# Altium PCB BLDC_v4.PcbDoc
Units mm, origin at the board's own origin, x right, y up, seen from the top; angles counter-clockwise.
Board outline 87.47 x 71.78 mm, 4 copper layers (Top Layer, Layer 1, Layer 2, Bottom Layer), stack 1.369 mm thick; 40 components, 18 nets, 91 pads, 19 vias.
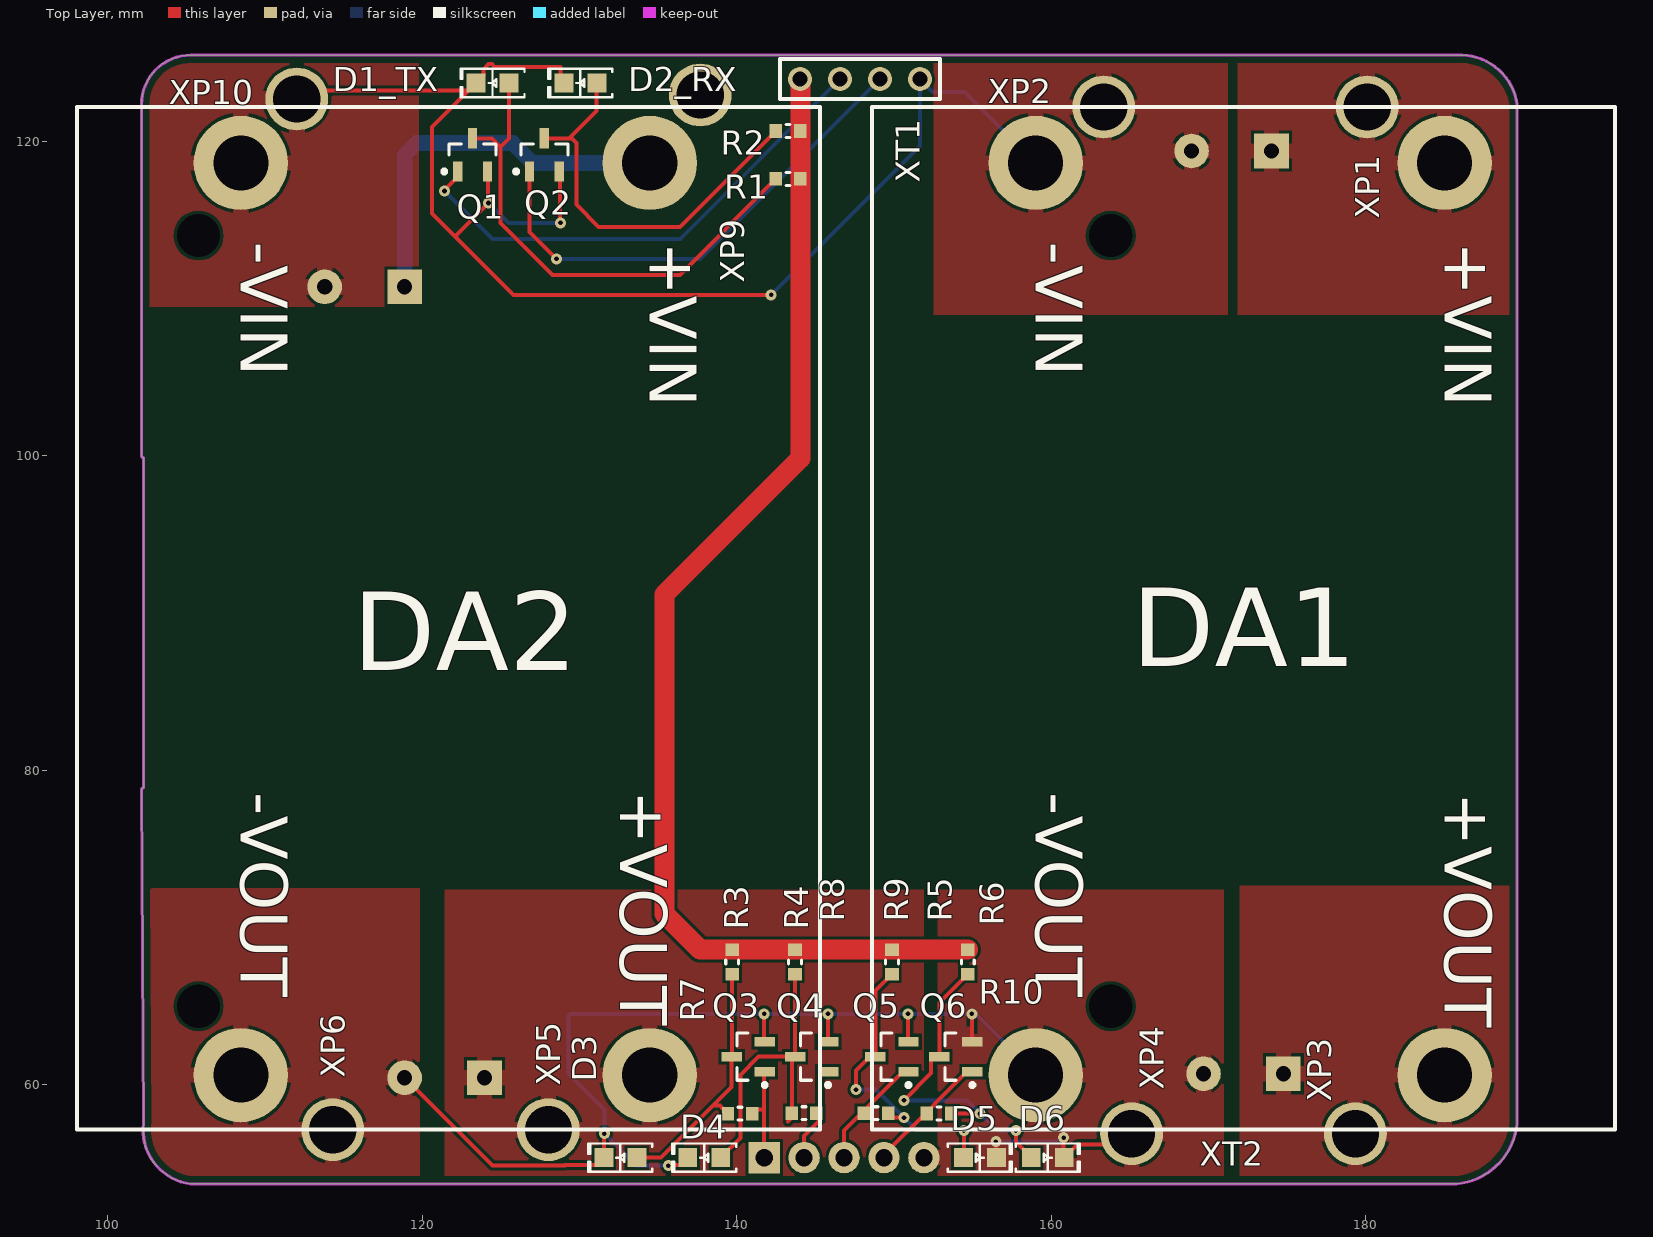
[diagram p0: Top Layer view]
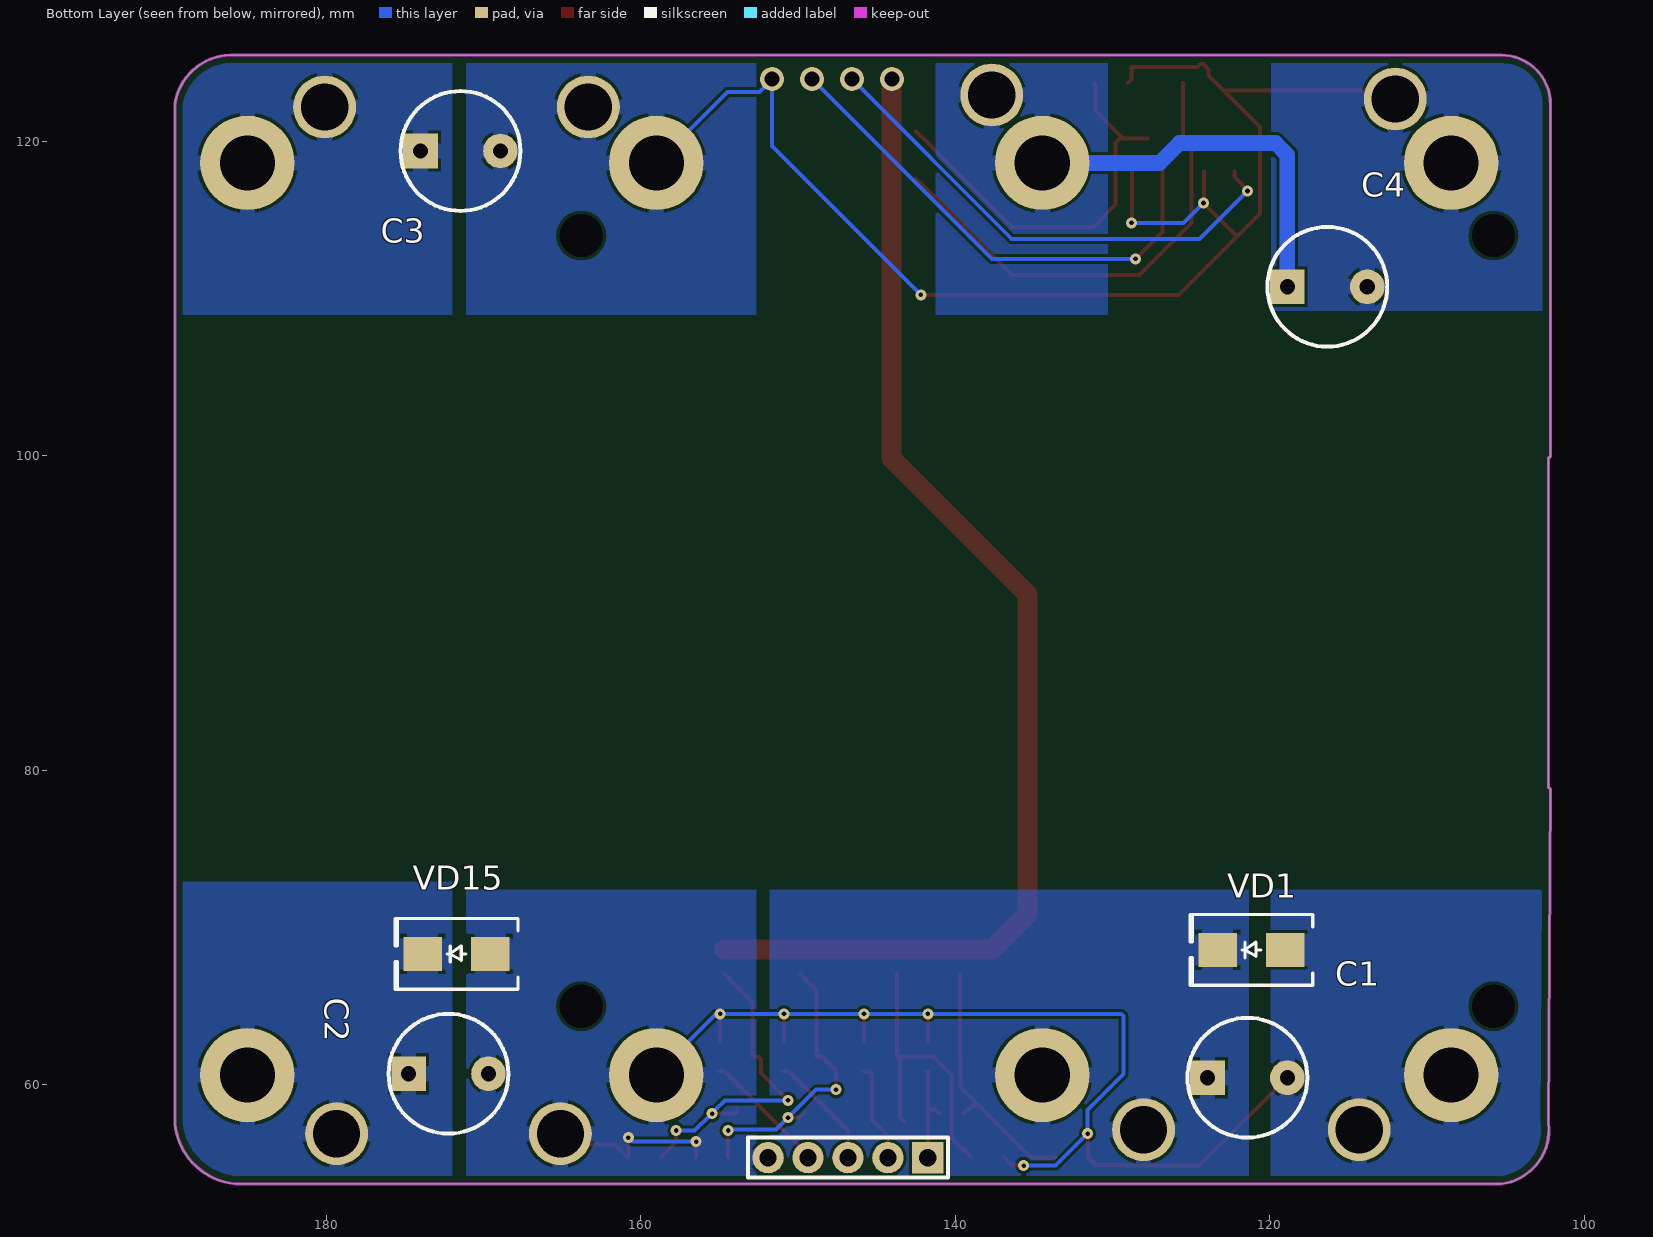
[diagram p1: Bottom Layer view, seen from below]
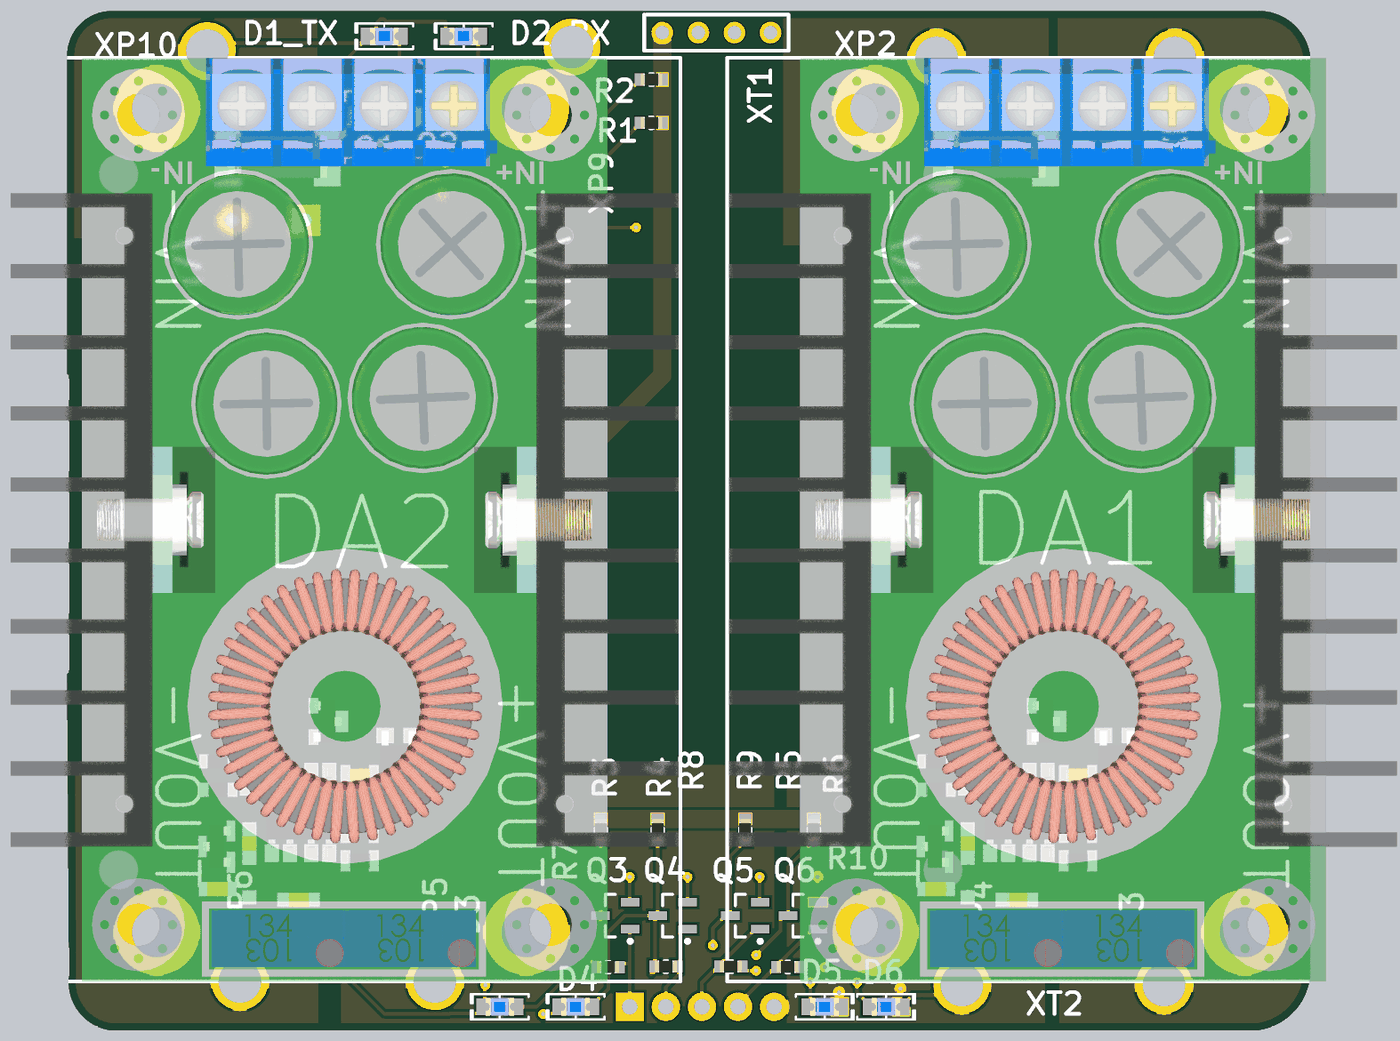
[diagram p2: 3D render of the assembled board from above, using the file's embedded part models]
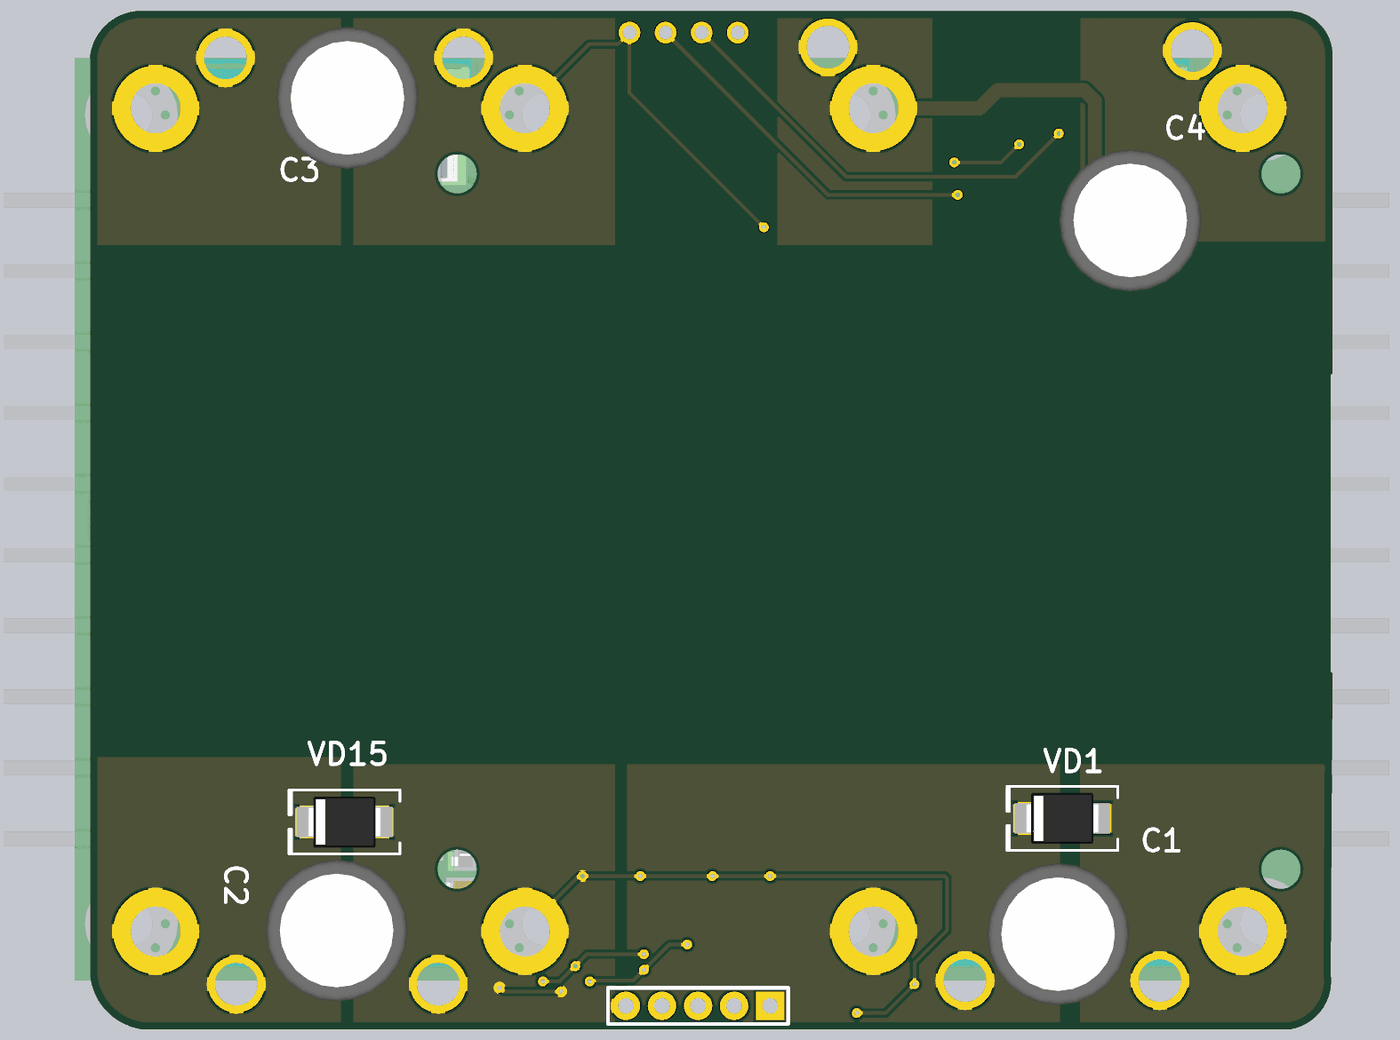
[diagram p3: 3D render of the assembled board from below, using the file's embedded part models]

## Layer stack, top to bottom
Top Solder: solder mask 0.0254, SM-001, Dk 4
Top Layer: signal copper 0.035
Dielectric 1: prepreg 0.1295, PP-017, Dk 4.3
Dielectric 2: prepreg 0.1295, PP-017, Dk 4.3
Layer 1: signal copper 0.035
Dielectric 3: core 0.7112, Core-039, Dk 4.8
Layer 2: signal copper 0.035
Dielectric 4: prepreg 0.1295, PP-017, Dk 4.3
Dielectric 5: prepreg 0.1295, PP-017, Dk 4.3
Bottom Layer: signal copper 0.035
Bottom Solder: solder mask 0.0254, SM-001, Dk 4

## Board outline
102.27,57.537 102.143,78.75 cw(c102.27,78.75) 102.27,78.877 102.27,99.873 cw(c102.27,100) 102.143,100 102.143,122.349 cw(c105.27,122.349) 105.27,125.476 185.803,125.476 cw(c185.993,121.825) 189.611,122.349 189.611,57.537 cw(c185.355,57.958) 185.775,53.701 105.27,53.701 cw(c105.688,57.119)

## Design rules (kind name [scope] priority, off if disabled: settings)
BackDrilling [All] p1: maxstublength=0.381 usetopbackdrill=TRUE usebottombackdrill=TRUE holeoversize=0.025 holetolplus=0 holetolminus=0
BoardOutlineClearance [All] p1: gap=0.5 ignorepadtopadclearanceinfootprint=FALSE except(0: Arc-SplitBarrior Arc-SplitContinuation Track-SplitBarrior Track-SplitContinuation SMDPad-SplitContinuation THPad-SplitContinuation Via-SplitBarrior Via-SplitContinuation Fill-SplitBarrior Fill-SplitContinuation Poly-SplitBarrior Poly-SplitContinuation Region-SplitBarrior Region-SplitContinuation Text-SplitBarrior Text-SplitContinuation)
Clearance [All] p1: gap=0.15 ignorepadtopadclearanceinfootprint=FALSE except(0.2: Arc-Fill Arc-Poly Arc-Region Track-Fill Track-Poly Track-Region SMDPad-Fill SMDPad-Poly SMDPad-Region THPad-Fill THPad-Poly THPad-Region Via-Fill Via-Poly Via-Region Fill-Fill Fill-Poly Fill-Region Poly-Poly Poly-Region Region-Region)
ComponentClearance [All] p1: gap=-0.05 collisioncheckmode=3 verticalgap=0 showdistances=TRUE
DiffPairsRouting [All] p1: maxlimit=0.15 minlimit=0.15 mostfreqgap=0.15 toplayer_minwidth=0.15 toplayer_maxwidth=0.15 toplayer_prefwidth=0.15 midlayer1_minwidth=0.15 midlayer1_maxwidth=0.15 midlayer1_prefwidth=0.15 midlayer2_minwidth=0.15 midlayer2_maxwidth=0.15 midlayer2_prefwidth=0.15 bottomlayer_minwidth=0.15 bottomlayer_maxwidth=0.15 bottomlayer_prefwidth=0.15 maxuncoupledlength=5
FabricationTestPointUsage TestPointUsage [All] p1: valid=0 allowmultiple=FALSE
FabricationTestpoint Testpoint [All] p1: side=3 testpointundercomponent=TRUE minsize=1.016 maxsize=2.54 preferedsize=1.524 minholesize=0.508 maxholesize=1.016 preferedholesize=0.813 testpointgrid=0.025 allowsidetop=TRUE allowsidebottom=TRUE usegrid=TRUE gridtolerance=0
Height [All] p1: minheight=0 maxheight=50 prefheight=10
HoleSize [All] p1: absolutevalues=TRUE maxlimit=5 minlimit=0.3 maxpercent=80.000 minpercent=20.000
HoleToHoleClearance [All] p1: gap=0.4 allowstackedmicrovias=TRUE
MinimumAnnularRing [All] p1: minimumring=0.2
MinimumSolderMaskSliver [All] p1: minsoldermaskwidth=0.15
PlaneClearance [All] p1: clearance=0.254
PolygonConnect [All] p1: thpad.connectstyle=Relief thpad.reliefconductorwidth=1 thpad.reliefentries=4 thpad.polygonreliefangle="90 Angle" thpad.airgapwidth=0.2 smdpad.connectstyle=Relief smdpad.reliefconductorwidth=2 smdpad.reliefentries=4 smdpad.polygonreliefangle="90 Angle" smdpad.airgapwidth=0.2 via.connectstyle=Direct via.reliefconductorwidth=0.15 via.reliefentries=4 via.polygonreliefangle="90 Angle" via.airgapwidth=0.2
RoutingVias [All] p1: holewidth=0.3 width=0.7 viastyle="Through Hole" minholewidth=0.3 minwidth=0.7 maxholewidth=2 maxwidth=3
SilkToSilkClearance [All] p1: silktosilkclearance=0.15
SilkToSolderMaskClearance SilkscreenOverComponentPads [IsPad] p1: minsilkscreentomaskgap=0.1 clearancetoexposedcopper=TRUE
SolderMaskExpansion [All] p1: expansion=0.075
ViasUnderSMD [All] p1: allowed=TRUE
Width [All] p1: maxlimit=5 minlimit=0.15 preferedwidth=0.15
19 further rules are at their usual default settings.

## Components (designator, comment, footprint, x,y, rotation, side; value= is the part's Value field where it differs from the comment)
C1 "C100_V_WIDE" C100_WIDE 123.952,60.452 r180 bottom value={Value}
C2 "C100_V_WIDE" C100_WIDE 174.752,60.706 r180 bottom value={Value}
C3 "C100_V_WIDE" C100_WIDE 173.99,119.38 r180 bottom value={Value}
C4 "C100_V_WIDE" C100_WIDE 118.872,110.744 r180 bottom value={Value}
D1_TX "Green" "LED 0805/2012 BLUE" 124.46,123.698 r180 top
D2_RX "Green" "LED 0805/2012 BLUE" 130.048,123.698 r180 top
D3 "Green" "LED 0805/2012 BLUE" 132.588,55.372 r180 top
D4 "Green" "LED 0805/2012 BLUE" 137.922,55.372 r180 top
D5 "Green" "LED 0805/2012 BLUE" 155.448,55.372 r0 top
D6 "Green" "LED 0805/2012 BLUE" 159.766,55.372 r0 top
DA1 "DC/DC" XL4016 159,118.618 r270 top locked
DA2 "DC/DC" XL4016 108.458,118.618 r270 top locked
Q1 "IRML6244tr2pbf" SOT23_N 123.19,119.126 r90 top
Q2 "IRML6244tr2pbf" SOT23_N 127.762,119.126 r90 top
Q3 "IRML6244tr2pbf" SOT23_N 140.716,61.788 r180 top
Q4 "IRML6244tr2pbf" SOT23_N 144.746,61.788 r180 top
Q5 "IRML6244tr2pbf" SOT23_N 149.86,61.788 r180 top
Q6 "IRML6244tr2pbf" SOT23_N 153.924,61.788 r180 top
R1 "1k" SMT0603/VISHAY 143.256,117.602 r0 top
R2 "1k" SMT0603/VISHAY 143.256,120.65 r0 top
R3 "1k" SMT0603/VISHAY 139.7,67.818 r90 top
R4 "1k" SMT0603/VISHAY 143.696,67.818 r90 top
R5 "1k" SMT0603/VISHAY 149.86,67.818 r90 top
R6 "1k" SMT0603/VISHAY 154.686,67.818 r90 top
R7 "1k" SMT0603/VISHAY 140.208,58.166 r0 top
R8 "1k" SMT0603/VISHAY 144.272,58.204 r0 top
R9 "1k" SMT0603/VISHAY 148.844,58.204 r180 top
R10 "1k" SMT0603/VISHAY 152.847,58.179 r180 top
VD1 "SMBJ5.0CA-TR" "DO214AA SMB" 121.158,68.58 r0 bottom
VD15 "SMBJ12A" "DO214AA SMB" 171.704,68.326 r0 bottom
XP1 "XP_1_WIDE" XP_WIDE 180.086,122.174 r180 top
XP2 "XP_1_WIDE" XP_WIDE 163.322,122.174 r180 top
XP3 "XP_1_WIDE" XP_WIDE 179.324,56.896 r180 top
XP4 "XP_1_WIDE" XP_WIDE 165.1,56.896 r180 top
XP5 "XP_1_WIDE" XP_WIDE 128.016,57.15 r180 top
XP6 "XP_1_WIDE" XP_WIDE 114.3,57.15 r180 top
XP9 "XP_1_WIDE" XP_WIDE 137.668,122.936 r180 top
XP10 "XP_1_WIDE" XP_WIDE 112.014,122.682 r270 top
XT1 "PLS4_GOST" XP_4_PIN_2 144.018,123.952 r90 top
XT2 "PLS5_GOST" XP_5_PIN 141.732,55.372 r0 top

## Footprints (in the part's own frame and the unit in brackets; to place one, negate y for a bottom-side part, rotate by r counter-clockwise, add the part's x,y. Pads: shape width x height; smd on the part's side, far side on the other; paste and mask are expansions set on the pad)
C100_WIDE [mm]
  rect 2.2x2.2 hole 0.965: 1(0,0)
  round 2.2 hole 0.965: 2(5.08,0)
  silkscreen extent -1.27,-3.81 6.35,3.81, body extent -2.51,-5.03 7.49,4.97, height 12.5
"DO214AA SMB" [mm] "Molded Diode, 2-Leads, Body 4.31x3.62mm, IPC Medium Density"
  rect 2.45x2.15 smd: 1(-2.15,0) 2(2.15,0)
  silkscreen extent -3.9,-2.25 3.9,2.25, body extent -2.6,-1.8 2.6,1.8, height 2.4
"LED 0805/2012 BLUE" [mm] "Chip Diode, 2-Leads, Body 2.00x1.25mm, IPC Medium Density"
  rect 1.2x1.2 smd: 1(-1.05,0) 2(1.05,0)
  silkscreen extent -2.03,-0.9 2.03,0.9, body extent -1,-0.62 1,0.63, height 0.9
SMT0603/VISHAY [mm]
  rect 0.787x0.864 smd: 1(-0.775,0) 2(0.775,0)
  silkscreen extent -0.13,-0.41 0.13,0.41, body extent -0.78,-0.43 0.77,0.43, height 0.45
SOT23_N [mm] "SOT23, 3-Leads, Body 2.9x1.3mm, Pitch 0.95mm, Lead Span 2.3mm, IPC Medium Density"
  rect 1.3x0.6 smd: 1(-1.05,0.95) 2(-1.05,-0.95) 3(1.05,0)
  silkscreen extent -1.17,-1.5 0.7,1.92, body extent -0.7,-1.5 0.7,1.5, height 1.1
XL4016 [mm]
  round 6 hole 3.5: 1(0,0) 2(58,0) 3(58,26) 4(0,26)
  silkscreen extent -3.56,-10.41 61.47,36.83, body extent -3.53,-10.29 61.47,36.71, height 22.57
XP_4_PIN_2 [mil]
  round 60 hole 38: 1(0,0) 2(0,-100) 3(0,-200) 4(0,-300)
  silkscreen extent -50,-350 50,50
XP_5_PIN [mm]
  rect 2x2 hole 1.1: 1(0,0)
  round 2 hole 1.1: 2(2.54,0) 3(5.08,0) 4(7.62,0) 5(10.16,0)
XP_WIDE [mm]
  round 4 hole 3: 1(0,0)

## Part data
D1_TX D2_RX D3 D4 D5 D6: library part LED, "Chip LED"
DA1 DA2: library part XL4016_DCDC
Q1 Q2 Q3 Q4 Q5 Q6: "N-Channel MOSFET", LatestRevisionDate=17-Jul-2002, LatestRevisionNote="Re-released for DXP Platform.", PackageDescription="TO, Flat Index; 3 In-Line, Axial Leads; Body Dia. 4.6mm; Lead Dia. 0.5 mm (max)", PackageReference=E3, PackageVersion=1995/1996, Published=8-Jun-2000, Publisher="Altium Limited"
R1 R2 R3 R4 R5 R6 R7 R8 R9 R10: library part CRCW060310K0FKEA/MURATA, "10k"
XT1: "Header, 5-Pin", LatestRevisionDate=17-Jul-2002, LatestRevisionNote="Re-released for DXP Platform.", Publisher="Altium Limited"
XT2: library part PLS5_GOST_1, "Header, 5-Pin", LatestRevisionDate=17-Jul-2002, LatestRevisionNote="Re-released for DXP Platform.", Publisher="Altium Limited"

## Free pads (board coordinates)
  round 0 hole 2.75 unplated: ""(105.77,65) ""(105.77,114) ""(163.77,65) ""(163.77,114)

## Via types
v1: diameter 0.7, hole 0.3, Top Layer to Bottom Layer, 19 vias

## Nets (pads, with @x,y where several pads share a name; then routed paths per layer and width w, separated by ;. In a path a pad name is that pad's centre, name@x,y a point inside that pad or via, vN(x,y) a via of type N, cw(c..) or ccw(c..) an arc to the next point about the centre after c; other vN are vias at no path point)
+5V: R1.2 R2.2 R3.2 R4.2 R5.2 R6.2 XT1.1 | length 76.9
  Top Layer w1.27: XT1.1 144.031,123.939 R2.2 R1.2 144.031,99.822 135.382,91.173 135.382,70.879 137.668,68.593 R3.2 R4.2 R5.2 R6.2
+36V_1: C3.1 DA1.4 XP1.1
+36V_2: C4.1 DA2.4 XP9.1 | length 24.8
  Bottom Layer w1: C4.1 118.872,119.126 119.634,119.888 125.735,119.888 127.005,118.618 DA2.4
DCDC1: C2.1 DA1.3 VD15.2 XP3.1
DCDC2: C1.1 DA2.3 VD1.2 XP5.1 | length 0.2
  Top Layer w1.27: DA2.3 DA2.3@134.598,60.758
GND: C1.2 C2.2 C3.2 C4.2 D1_TX.2 D2_RX.2 D3.2 D4.2 D5.2 D6.2 DA1.1 DA1.2 DA2.1 DA2.2 Q1.2 Q2.2 Q3.2 Q4.2 Q5.2 Q6.2 VD1.1 VD15.1 XP2.1 XP4.1 XP6.1 XP10.1 XT1.4 XT2.5 | length 174.4
  Top Layer w0.254: XP10.1 112.557,123.225 D1_TX.2@122.937,123.225 ; C1.2 124.451,54.873 129.056,54.873 129.082,54.899 131.065,54.899 D3.2 131.538,56.862 v1(131.572,56.896) ; Q1.2 124.173,118.043 124.173,116.111 v1(124.206,116.078) 122.174,114.046 122.174,113.849 ; Q2.2 128.745,118.043 128.745,114.841 v1(128.778,114.808) ; D2_RX.2 128.778,123.918 128.778,124.714 124.599,124.714 124.416,124.897 124.206,124.897 123.883,124.574 123.883,124.171 D1_TX.2 D1_TX.2@122.937,123.225 ; v1(135.636,54.864) 135.671,54.899 136.399,54.899 D4.2 ; v1(141.732,64.516) 141.732,62.772 Q3.2 ; v1(142.176,110.236) 125.787,110.236 122.174,113.849 ; Q4.2 v1(145.796,64.516) ; v1(150.876,64.516) 150.876,62.772 Q5.2 ; v1(154.94,64.516) 154.94,62.772 Q6.2 ; v1(156.464,56.388) 156.464,55.406 D5.2 ; v1(160.782,56.642) 160.782,55.406 D6.2 161.648,56.204 164.408,56.204 XP4.1@165.38,57.176 ; 122.174,113.849 120.616,115.407 120.616,120.904 D1_TX.2@122.937,123.225
  Bottom Layer w0.254: v1(124.206,116.078) 125.476,114.808 v1(128.778,114.808) ; v1(135.636,54.864) 133.604,54.864 v1(131.572,56.896) 131.572,58.403 129.286,60.689 129.286,64.367 129.435,64.516 v1(141.732,64.516) v1(145.796,64.516) v1(150.876,64.516) v1(154.94,64.516) 155.194,64.516 159,60.71 DA1.2 ; v1(142.176,110.236) 151.638,119.698 XT1.4 152.446,123.144 154.474,123.144 DA1.1 ; v1(156.464,56.388) 160.528,56.388 v1(160.782,56.642)
NetD1_TX_1: D1_TX.1 Q1.3 R1.1 | length 32.5
  Top Layer w0.254: Q1.3 124.426,120.176 124.968,119.634 ; D1_TX.1 125.51,120.176 124.968,119.634 ; R1.1 142.481,117.564 142.214,117.297 142.176,117.297 136.385,111.506 128.27,111.506 124.968,114.808 124.968,119.634
NetD2_RX_1: D2_RX.1 Q2.3 R2.1 | length 26.1
  Top Layer w0.254: Q2.3 129.32,120.176 ; D2_RX.1 131.064,123.664 131.064,121.92 129.32,120.176 ; R2.1 142.481,120.612 142.214,120.345 142.176,120.345 136.385,114.554 131.213,114.554 129.794,115.973 129.794,119.888 129.506,120.176 129.32,120.176
NetD3_1: D3.1 Q3.3 R3.1 R7.1 | length 16.3
  Top Layer w0.254: D3.1 135.188,55.372 138.49,58.674 ; R7.1 139.433,58.204 139.166,58.471 139.128,58.471 138.925,58.674 138.49,58.674 ; R3.1 139.7,61.822 Q3.3 139.666,59.85 138.49,58.674
NetD4_1: D4.1 Q4.3 R4.1 R8.1 | length 19.3
  Top Layer w0.254: D4.1 140.223,56.623 140.223,60.637 141.374,61.788 Q4.3@143.683,61.788 ; 143.243,57.658 143.51,57.925 143.51,61.615 Q4.3@143.683,61.788 ; R4.1 Q4.3 Q4.3@143.683,61.788
NetD5_1: D5.1 Q5.3 R5.1 R9.1 | length 19.3
  Top Layer w0.254: v1(147.574,59.69) 147.574,60.902 148.46,61.788 Q5.3 148.81,65.993 149.555,66.738 149.555,66.776 149.822,67.043 R5.1 ; R9.1 149.619,58.179 149.886,57.912 v1(150.622,57.912) ; D5.1 154.432,55.406 v1(154.432,57.09)
  Bottom Layer w0.254: v1(147.574,59.69) 148.844,59.69 v1(150.622,57.912) 151.384,57.15 154.372,57.15 v1(154.432,57.09)
NetD6_1: D6.1 Q6.3 R6.1 R10.1 | length 21.4
  Top Layer w0.254: v1(150.622,59.012) 152.351,60.741 152.351,61.615 152.524,61.788 Q6.3 152.874,65.231 154.381,66.738 154.381,66.776 154.648,67.043 R6.1 ; R10.1@153.874,58.42 153.874,58.242 153.95,58.166 v1(155.448,58.166) ; v1(157.734,57.09) 157.734,56.354 D6.1
  Bottom Layer w0.254: v1(150.622,59.012) 154.636,59.012 v1@155.228,58.42 ; v1@155.465,58.183 156.558,57.09 v1(157.734,57.09)
NetQ1_2: Q1.1 XT1.2 | length 32.2
  Top Layer w0.254: v1(121.412,116.84) 121.412,116.898 122.24,117.726 Q1.1
  Bottom Layer w0.254: v1(121.412,116.84) 124.46,113.792 136.398,113.792 XT1.2
NetQ2_2: Q2.1 XT1.3 | length 31.6
  Top Layer w0.254: Q2.1 126.812,114.234 v1(128.524,112.522)
  Bottom Layer w0.254: v1(128.524,112.522) 137.668,112.522 XT1.3
NetQ3_2: Q3.1 R7.2 XT2.1 | length 6.3
  Top Layer w0.254: R7.2 141.237,58.42 141.732,58.42 ; XT2.1 141.732,58.42 ; Q3.1 141.732,60.804 141.732,58.42
NetQ4_2: Q4.1 R8.2 XT2.2 | length 6.3
  Top Layer w0.254: XT2.2 144.272,56.753 144.985,57.466 145.273,57.754 145.273,60.665 145.446,60.838 Q4.1
NetQ5_2: Q5.1 R9.2 XT2.3 | length 7.4
  Top Layer w0.254: XT2.3 146.812,57.09 150.56,60.838 Q5.1
NetQ6_2: Q6.1 R10.2 XT2.4 | length 8
  Top Layer w0.254: XT2.4 149.352,55.566 152.17,58.384 152.847,59.061 153.706,59.921 154.624,60.838 Q6.1

## Polygon pours and split planes (outlines as drawn)
DCDC2 on Top Layer "Top Layer-No Net 2" (solid, pour order 32): 121.412,72.39 151.892,72.39 151.892,53.701 121.412,53.701
GND on Top Layer "Top Layer-No Net 1" (solid, pour order 26): 102.178,72.497 119.831,72.497 119.831,53.936 119.958,53.809 102.178,53.809
no net on Top Layer "NONET_L01_P020" (solid, pour order 20): 147.32,94.996
GND on Top Layer "Top Layer-GND" (solid, pour order 16): 102.108,125.476 119.761,125.476 119.761,109.474 102.108,109.474
GND on Top Layer "Top Layer-GND 1" (solid, pour order 14): 152.527,125.476 171.196,125.476 171.196,108.966 152.527,108.966
+36V_1 on Top Layer "Top Layer-+36V" (solid, pour order 12): 171.831,125.476 189.484,125.476 189.484,108.966 171.831,108.966
GND on Top Layer "Top Layer-GND 2" (solid, pour order 6): 152.771,72.39 170.942,72.39 170.942,53.848 171.069,53.721 152.771,53.721
DCDC1 on Top Layer "Top Layer-+12V 1" (solid, pour order 4): 171.958,72.644 189.611,72.644 189.611,53.721 189.738,53.594 171.958,53.594
DCDC2 on Bottom Layer "Bottom Layer-No Net" (solid, pour order 34): 121.314,72.39 151.794,72.39 151.794,53.701 121.314,53.701
GND on Bottom Layer "Bottom Layer-No Net 1" (solid, pour order 28): 102.365,125.476 119.888,125.476 119.888,109.22 102.312,109.22
GND on Bottom Layer "Top Layer-No Net 1" (solid, pour order 18): 102.27,72.39 119.923,72.39 119.923,53.828 120.05,53.701 102.27,53.701
+36V_2 on Bottom Layer "Bottom Layer-No Net 2" (solid, pour order 24): 130.302,125.476 141.224,125.476 141.224,108.966 130.302,108.966
GND on Bottom Layer "Bottom Layer-GND" (solid, pour order 8): 152.654,125.369 171.069,125.369 171.069,108.966 152.654,108.966
+36V_1 on Bottom Layer "Bottom Layer-+36V" (solid, pour order 10): 171.958,125.476 189.611,125.476 189.611,108.966 171.958,108.966
GND on Bottom Layer "Bottom Layer-GND 1" (solid, pour order 2): 152.654,72.39 171.069,72.39 171.069,53.828 171.196,53.701 152.654,53.701
DCDC1 on Bottom Layer "Bottom Layer-+12V" (solid, pour order 0): 171.958,72.898 189.611,72.898 189.611,53.828 189.738,53.701 171.958,53.701

## Keep-outs
Keep-Out Layer:
  the board outline again, w0.2

## Silkscreen, mask and mechanical layers (free items; w line width, h text height)
Mechanical 16:
  lines w0.127: -5.08,43.18 0,43.18 ; -5.08,91.44 0,91.44 ; -5.08,139.7 0,139.7 ; 67.945,-5.08 67.945,0 ; 67.945,182.88 67.945,187.96 ; 132.08,0 167.64,0 ; 140.97,-5.08 140.97,0 ; 140.97,182.88 140.97,187.96 ; 167.64,7.62 281.94,7.62 ; 167.64,15.24 281.94,15.24 ; 167.64,22.86 205.74,22.86 ; 205.74,0 205.74,15.24 205.74,30.48 ; 213.995,-5.08 213.995,0 ; 213.995,182.88 213.995,187.96 ; 259.08,0 259.08,15.24 ; 281.94,43.18 287.02,43.18 ; 281.94,91.44 287.02,91.44 ; 281.94,139.7 287.02,139.7 ; 167.64,0 167.64,30.48 205.74,30.48 ; 167.64,0 281.94,0 ; 205.74,30.48 281.94,30.48 281.94,0 ; 281.94,0 281.94,182.88 0,182.88 0,0 281.94,0 ; -5.08,-5.08 -5.08,187.96 287.02,187.96 287.02,-5.08 -5.08,-5.08
  text "1" at 31.166,184.531 h0.76
  text "2" at 103.81,184.531 h0.76
  text "3" at 176.962,184.531 h0.76
  text "4" at 249.86,184.531 h0.76
  text "A" at -3.175,161.519 h0.76
  text "A" at 283.845,161.519 h0.76
  text "B" at -3.175,113.462 h0.76
  text "B" at 283.845,113.462 h0.76
  text "C" at -3.175,64.948 h0.76
  text "C" at 283.845,64.948 h0.76
  text "ENGINEER:" at 168.91,27.94 h0.76
  text "TITLE:" at 207.01,27.94 h0.76
  text "'.mProjectAuthor'" at 179.832,25.527 h0.76
  text "'.mProjectName'" at 231.775,22.098 h0.76
  text "PCB DESIGNER:" at 168.91,20.447 h0.76
  text "D" at -3.175,16.942 h0.76
  text "D" at 283.845,16.942 h0.76
  text "DATE:" at 168.91,12.7 h0.76
  text "PART NO.:" at 207.01,12.7 h0.76
  text "REV:" at 260.35,12.7 h0.76
  text "'.mProjectVersion'" at 265.049,10.414 h0.76
  text ".PRINT_DATE" at 170.18,9.652 h0.76
  text "FILE NAME:" at 168.91,5.08 h0.76
  text "DWG NO:" at 207.01,5.08 h0.76
  text "SCALE:" at 260.35,5.08 h0.76
  text "'.mProjectRevision'" at 265.176,2.286 h0.76
  text ".PCB_FILE_NAME_NO_PATH" at 170.18,2.032 h0.76
  text "1" at 31.166,-3.429 h0.76
  text "2" at 103.81,-3.429 h0.76
  text "3" at 176.962,-3.429 h0.76
  text "4" at 249.86,-3.429 h0.76

## Text inside footprints (layer, text, board x,y; h text height)
DA1: Top Overlay "-VOUT" at 159,78.618 h3 r270; Top Overlay "-VIN" at 159,113.618 h3 r270; Top Overlay "+VIN" at 185,113.618 h3 r270; Top Overlay "+VOUT" at 185,78.618 h3 r270
DA2: Top Overlay "-VOUT" at 108.458,78.618 h3 r270; Top Overlay "-VIN" at 108.458,113.618 h3 r270; Top Overlay "+VIN" at 134.458,113.618 h3 r270; Top Overlay "+VOUT" at 132.588,78.74 h3 r270